# Altium PCB 键盘.PcbDoc (part 6 of 10)
Units mm, origin at the board's own origin, x right, y up, seen from the top; angles counter-clockwise.
Board outline 100 x 100 mm, 2 copper layers (Top Layer, Bottom Layer); 85 components, 82 nets, 333 pads, 92 vias.
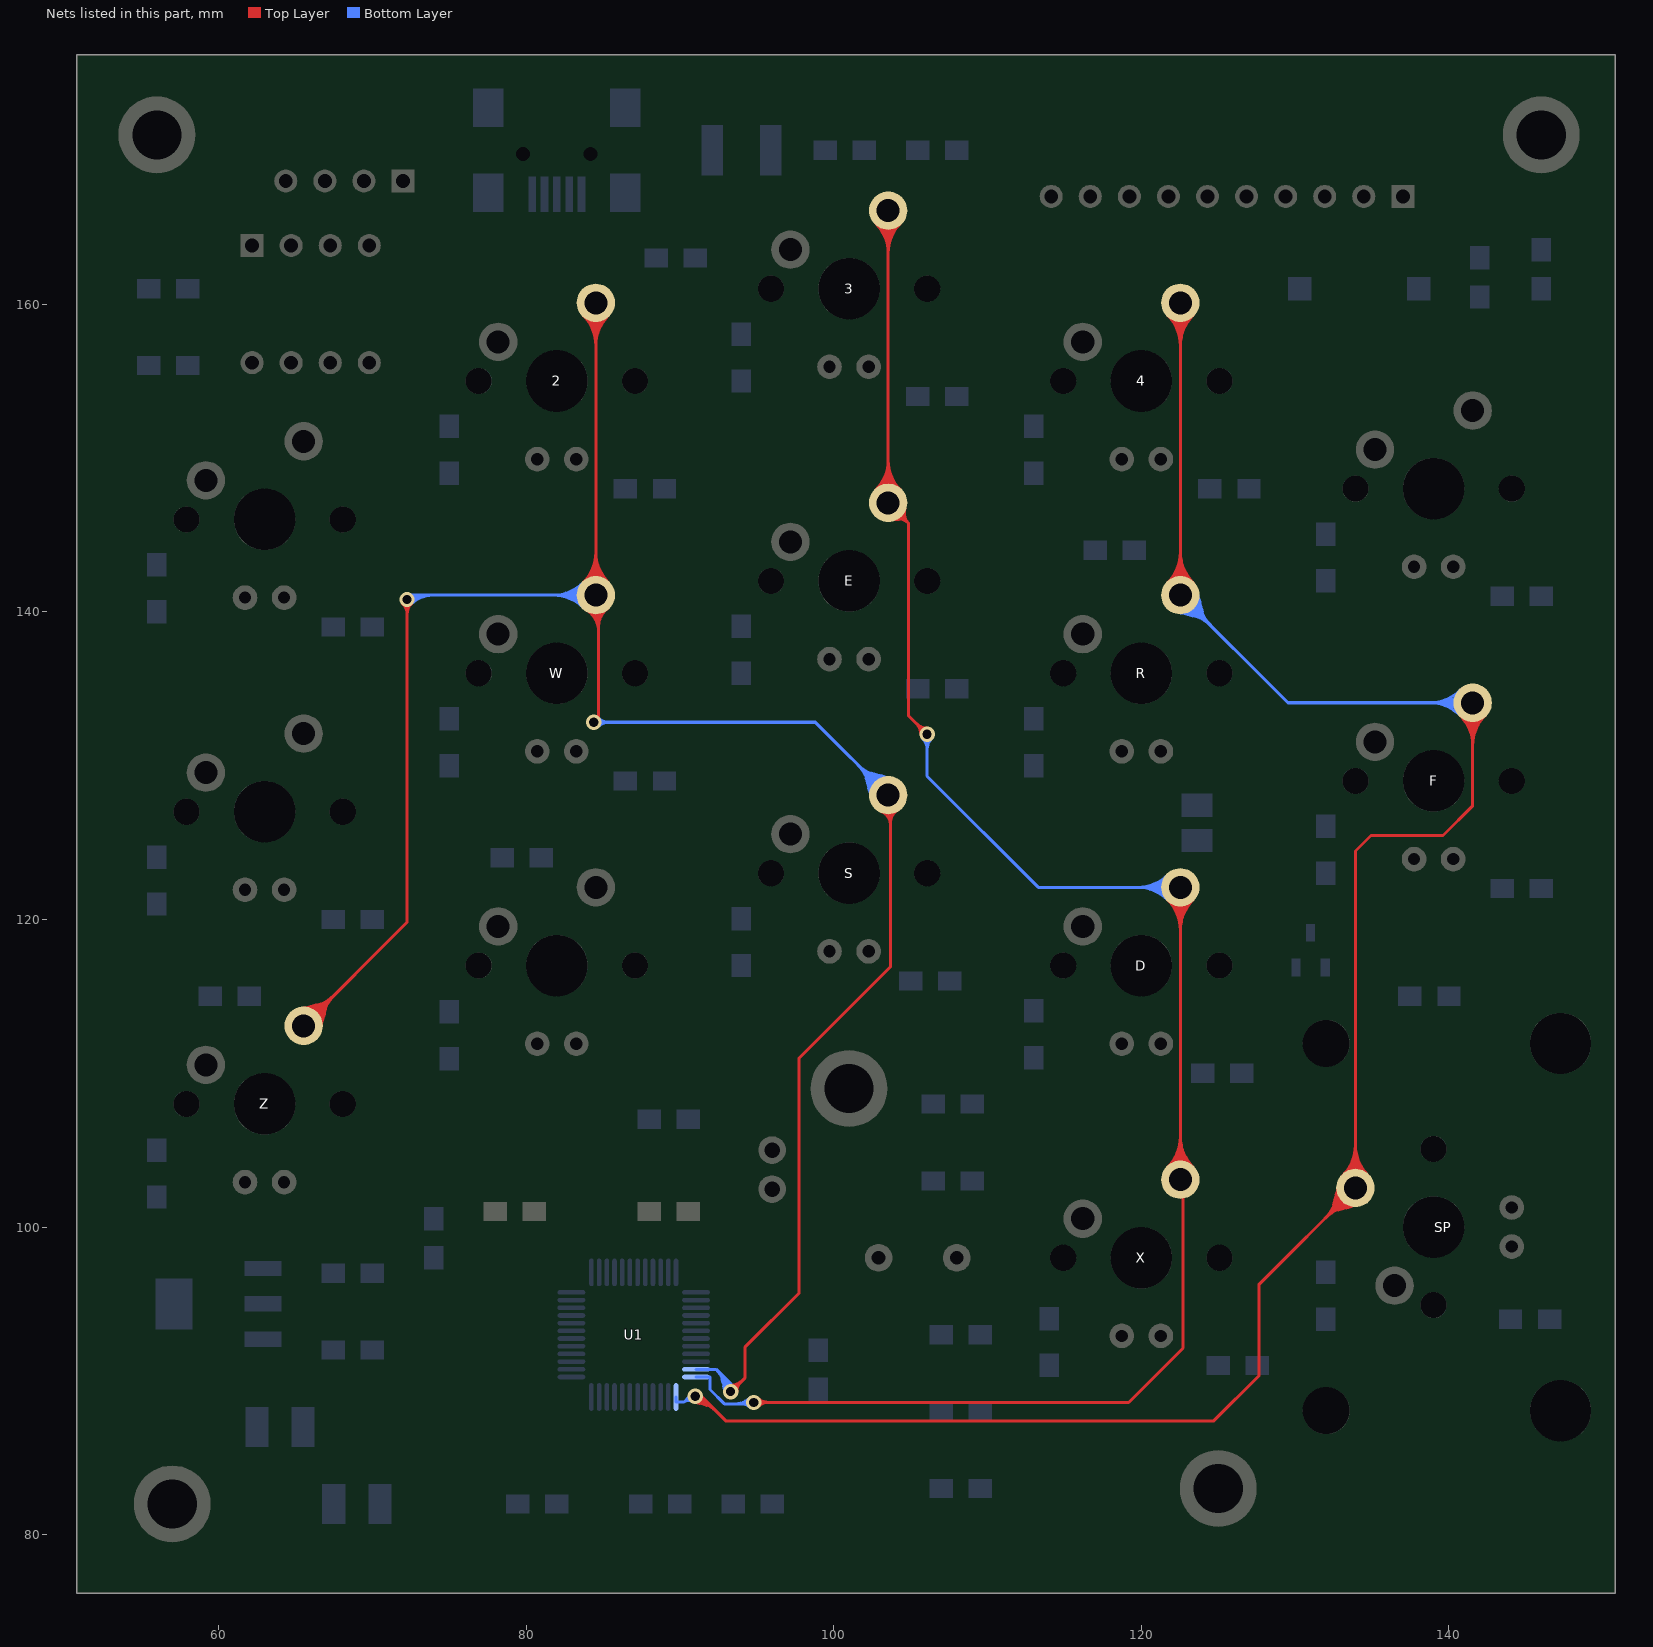
[diagram p6: the nets of this part, all layers, seen from the top]

## Via types
v1: diameter 1, hole 0.6, Top Layer to Bottom Layer, 92 vias

## Nets (pads, with @x,y where several pads share a name; then routed paths per layer and width w, separated by ;. In a path a pad name is that pad's centre, name@x,y a point inside that pad or via, vN(x,y) a via of type N, cw(c..) or ccw(c..) an arc to the next point about the centre after c; other vN are vias at no path point) (continued)
PA1: 2.2 S.2 U1.11 W.2 Z.2 | length 536.1
  Top Layer w0.2: Z.2@65.54,113.08 72.263,119.803 v1(72.263,140.792) ; v1(84.404,132.817) 84.709,133.121 84.709,138.862 ; 2.2@84.54,160.08 W.2@84.54,141.08 84.709,138.862 ; S.2@103.54,128.08 103.7,126.198 ; Z.2@64.907,113.229 cw(c66.377,112.883) 66.011,114.348 ; Z.2@64.907,113.229 cw(c66.377,112.883) 66.011,114.348 ; Z.2@64.907,113.229 cw(c66.377,112.883) 66.011,114.348 ; Z.2@65.102,113.183 cw(c66.737,112.798) 66.33,114.427 ; Z.2@65.102,113.183 cw(c66.737,112.798) 66.33,114.427 ; Z.2@65.102,113.183 cw(c66.737,112.798) 66.33,114.427 ; Z.2@65.292,113.107 cw(c66.581,112.966) 66.245,114.219 ; Z.2@65.292,113.107 cw(c66.581,112.966) 66.245,114.219 ; Z.2@65.292,113.107 cw(c66.581,112.966) 66.245,114.219 ; Z.2@65.297,113.137 cw(c67.096,112.713) 66.648,114.507 ; Z.2@65.297,113.137 cw(c67.096,112.713) 66.648,114.507 ; Z.2@65.297,113.137 cw(c67.096,112.713) 66.648,114.507 ; Z.2@65.49,113.085 cw(c66.893,112.932) 66.528,114.295 ; Z.2@65.49,113.085 cw(c66.893,112.932) 66.528,114.295 ; Z.2@65.49,113.085 cw(c66.893,112.932) 66.528,114.295 ; Z.2@65.54,113.63 ccw(c65.54,114.958) 66.479,114.019 ; Z.2@65.54,113.63 ccw(c65.54,114.958) 66.479,114.019 ; Z.2@65.54,113.63 ccw(c65.54,114.958) 66.479,114.019 ; Z.2@65.54,113.83 ccw(c65.54,115.641) 66.82,114.36 ; Z.2@65.54,113.83 ccw(c65.54,115.641) 66.82,114.36 ; Z.2@65.54,113.83 ccw(c65.54,115.641) 66.82,114.36 ; Z.2@65.54,114.03 ccw(c65.54,116.323) 67.162,114.702 ; Z.2@65.54,114.03 ccw(c65.54,116.323) 67.162,114.702 ; Z.2@65.54,114.03 ccw(c65.54,116.323) 67.162,114.702 ; Z.2@65.54,114.23 ccw(c65.54,117.006) 67.503,115.043 ; Z.2@65.54,114.23 ccw(c65.54,117.006) 67.503,115.043 ; Z.2@65.54,114.23 ccw(c65.54,117.006) 67.503,115.043 ; Z.2@65.543,113.23 ccw(c65.566,114.225) 66.528,113.968 ; Z.2@65.543,113.23 ccw(c65.566,114.225) 66.528,113.968 ; Z.2@65.543,113.23 ccw(c65.566,114.225) 66.528,113.968 ; Z.2@65.545,113.03 ccw(c65.392,114.433) 66.755,114.068 ; Z.2@65.545,113.03 ccw(c65.392,114.433) 66.755,114.068 ; Z.2@65.545,113.03 ccw(c65.392,114.433) 66.755,114.068 ; Z.2@65.567,112.831 ccw(c65.426,114.121) 66.679,113.785 ; Z.2@65.567,112.831 ccw(c65.426,114.121) 66.679,113.785 ; Z.2@65.567,112.831 ccw(c65.426,114.121) 66.679,113.785 ; Z.2@65.597,112.837 ccw(c65.173,114.636) 66.967,114.188 ; Z.2@65.597,112.837 ccw(c65.173,114.636) 66.967,114.188 ; Z.2@65.597,112.837 ccw(c65.173,114.636) 66.967,114.188 ; Z.2@65.643,112.642 ccw(c65.258,114.277) 66.887,113.87 ; Z.2@65.643,112.642 ccw(c65.258,114.277) 66.887,113.87 ; Z.2@65.643,112.642 ccw(c65.258,114.277) 66.887,113.87 ; Z.2@65.689,112.447 ccw(c65.343,113.917) 66.808,113.551 ; Z.2@65.689,112.447 ccw(c65.343,113.917) 66.808,113.551 ; Z.2@65.689,112.447 ccw(c65.343,113.917) 66.808,113.551 ; Z.2@65.69,113.083 cw(c66.685,113.106) 66.428,114.068 ; Z.2@65.69,113.083 cw(c66.685,113.106) 66.428,114.068 ; Z.2@65.69,113.083 cw(c66.685,113.106) 66.428,114.068 ; Z.2@66.09,113.08 cw(c67.418,113.08) 66.479,114.019 ; Z.2@66.09,113.08 cw(c67.418,113.08) 66.479,114.019 ; Z.2@66.09,113.08 cw(c67.418,113.08) 66.479,114.019 ; Z.2@66.115,114.076 ccw(c66.266,114.338) 66.345,114.046 ; Z.2@66.115,114.076 ccw(c66.266,114.338) 66.345,114.046 ; Z.2@66.115,114.076 ccw(c66.266,114.338) 66.345,114.046 ; Z.2@66.29,113.08 cw(c68.101,113.08) 66.82,114.36 ; Z.2@66.29,113.08 cw(c68.101,113.08) 66.82,114.36 ; Z.2@66.29,113.08 cw(c68.101,113.08) 66.82,114.36 ; Z.2@66.49,113.08 cw(c68.784,113.08) 67.162,114.702 ; Z.2@66.49,113.08 cw(c68.784,113.08) 67.162,114.702 ; Z.2@66.49,113.08 cw(c68.784,113.08) 67.162,114.702 ; 66.506,113.885 ccw(c66.798,113.806) Z.2@66.536,113.655 ; 66.506,113.885 ccw(c66.798,113.806) Z.2@66.536,113.655 ; 66.506,113.885 ccw(c66.798,113.806) Z.2@66.536,113.655 ; Z.2@66.69,113.08 cw(c69.466,113.08) 67.503,115.043 ; Z.2@66.69,113.08 cw(c69.466,113.08) 67.503,115.043 ; Z.2@66.69,113.08 cw(c69.466,113.08) 67.503,115.043 ; v1@71.98,140.509 cw(c71.297,139.827) 72.263,139.827 ; v1@71.98,140.509 cw(c71.297,139.827) 72.263,139.827 ; v1@71.98,140.509 cw(c71.297,139.827) 72.263,139.827 ; 72.263,139.827 cw(c73.229,139.827) v1@72.546,140.509 ; 72.263,139.827 cw(c73.229,139.827) v1@72.546,140.509 ; 72.263,139.827 cw(c73.229,139.827) v1@72.546,140.509 ; W.2@83.727,141.893 ccw(c81.764,143.856) 84.54,143.856 ; W.2@83.727,141.893 ccw(c81.764,143.856) 84.54,143.856 ; W.2@83.727,141.893 ccw(c81.764,143.856) 84.54,143.856 ; 2.2@83.727,159.267 cw(c81.764,157.304) 84.54,157.304 ; 2.2@83.727,159.267 cw(c81.764,157.304) 84.54,157.304 ; 2.2@83.727,159.267 cw(c81.764,157.304) 84.54,157.304 ; W.2@83.868,141.752 ccw(c82.246,143.373) 84.54,143.373 ; W.2@83.868,141.752 ccw(c82.246,143.373) 84.54,143.373 ; W.2@83.868,141.752 ccw(c82.246,143.373) 84.54,143.373 ; 2.2@83.868,159.408 cw(c82.246,157.786) 84.54,157.786 ; 2.2@83.868,159.408 cw(c82.246,157.786) 84.54,157.786 ; 2.2@83.868,159.408 cw(c82.246,157.786) 84.54,157.786 ; W.2@83.948,140.094 cw(c83.137,138.742) 84.709,138.862 ; W.2@83.948,140.094 cw(c83.137,138.742) 84.709,138.862 ; W.2@83.948,140.094 cw(c83.137,138.742) 84.709,138.862 ; W.2@84.01,141.61 ccw(c82.729,142.891) 84.54,142.891 ; W.2@84.01,141.61 ccw(c82.729,142.891) 84.54,142.891 ; W.2@84.01,141.61 ccw(c82.729,142.891) 84.54,142.891 ; 2.2@84.01,159.55 cw(c82.729,158.269) 84.54,158.269 ; 2.2@84.01,159.55 cw(c82.729,158.269) 84.54,158.269 ; 2.2@84.01,159.55 cw(c82.729,158.269) 84.54,158.269 ; W.2@84.051,140.265 cw(c83.381,139.149) 84.68,139.248 ; W.2@84.051,140.265 cw(c83.381,139.149) 84.68,139.248 ; W.2@84.051,140.265 cw(c83.381,139.149) 84.68,139.248 ; W.2@84.151,141.469 ccw(c83.212,142.408) 84.54,142.408 ; W.2@84.151,141.469 ccw(c83.212,142.408) 84.54,142.408 ; W.2@84.151,141.469 ccw(c83.212,142.408) 84.54,142.408 ; 2.2@84.151,159.691 cw(c83.212,158.752) 84.54,158.752 ; 2.2@84.151,159.691 cw(c83.212,158.752) 84.54,158.752 ; 2.2@84.151,159.691 cw(c83.212,158.752) 84.54,158.752 ; W.2@84.154,140.437 cw(c83.625,139.555) 84.65,139.633 ; W.2@84.154,140.437 cw(c83.625,139.555) 84.65,139.633 ; W.2@84.154,140.437 cw(c83.625,139.555) 84.65,139.633 ; 84.54,142.408 ccw(c85.868,142.408) W.2@84.929,141.469 ; 84.54,142.408 ccw(c85.868,142.408) W.2@84.929,141.469 ; 84.54,142.408 ccw(c85.868,142.408) W.2@84.929,141.469 ; 84.54,142.891 ccw(c86.351,142.891) W.2@85.07,141.61 ; 84.54,142.891 ccw(c86.351,142.891) W.2@85.07,141.61 ; 84.54,142.891 ccw(c86.351,142.891) W.2@85.07,141.61 ; 84.54,143.373 ccw(c86.833,143.373) W.2@85.212,141.752 ; 84.54,143.373 ccw(c86.833,143.373) W.2@85.212,141.752 ; 84.54,143.373 ccw(c86.833,143.373) W.2@85.212,141.752 ; 84.54,143.856 ccw(c87.316,143.856) W.2@85.353,141.893 ; 84.54,143.856 ccw(c87.316,143.856) W.2@85.353,141.893 ; 84.54,143.856 ccw(c87.316,143.856) W.2@85.353,141.893 ; 84.54,157.304 cw(c87.316,157.304) 2.2@85.353,159.267 ; 84.54,157.304 cw(c87.316,157.304) 2.2@85.353,159.267 ; 84.54,157.304 cw(c87.316,157.304) 2.2@85.353,159.267 ; 84.54,157.786 cw(c86.833,157.786) 2.2@85.212,159.408 ; 84.54,157.786 cw(c86.833,157.786) 2.2@85.212,159.408 ; 84.54,157.786 cw(c86.833,157.786) 2.2@85.212,159.408 ; 84.54,158.269 cw(c86.351,158.269) 2.2@85.07,159.55 ; 84.54,158.269 cw(c86.351,158.269) 2.2@85.07,159.55 ; 84.54,158.269 cw(c86.351,158.269) 2.2@85.07,159.55 ; 84.54,158.752 cw(c85.868,158.752) 2.2@84.929,159.691 ; 84.54,158.752 cw(c85.868,158.752) 2.2@84.929,159.691 ; 84.54,158.752 cw(c85.868,158.752) 2.2@84.929,159.691 ; 84.65,139.633 cw(c85.675,139.712) W.2@85.019,140.503 ; 84.65,139.633 cw(c85.675,139.712) W.2@85.019,140.503 ; 84.65,139.633 cw(c85.675,139.712) W.2@85.019,140.503 ; 84.68,139.248 cw(c85.978,139.347) W.2@85.147,140.349 ; 84.68,139.248 cw(c85.978,139.347) W.2@85.147,140.349 ; 84.68,139.248 cw(c85.978,139.347) W.2@85.147,140.349 ; 84.709,138.862 cw(c86.281,138.982) W.2@85.274,140.195 ; 84.709,138.862 cw(c86.281,138.982) W.2@85.274,140.195 ; 84.709,138.862 cw(c86.281,138.982) W.2@85.274,140.195 ; v1(93.3,89.3) cw(c94.018,89.128) 93.827,89.841 ; v1(93.3,89.3) cw(c94.018,89.128) 93.827,89.841 ; v1(93.3,89.3) ccw(c93.19,89.952) 93.829,89.781 ; v1(93.3,89.3) ccw(c93.19,89.952) 93.829,89.781 ; v1(93.3,89.3) cw(c94.018,89.128) 93.827,89.841 ; v1(93.3,89.3) ccw(c93.19,89.952) 93.829,89.781 ; v1(93.3,89.3) 93.339,89.3 94.247,90.208 94.247,92.211 97.752,95.716 97.752,110.985 103.7,116.933 103.7,126.198 ; v1@93.3,89.5 ccw(c93.3,90.076) 93.707,89.669 ; v1@93.3,89.5 ccw(c93.3,90.076) 93.707,89.669 ; v1@93.3,89.5 ccw(c93.3,90.076) 93.707,89.669 ; v1@93.3,89.7 ccw(c93.3,90.759) 94.049,90.01 ; v1@93.3,89.7 ccw(c93.3,90.759) 94.049,90.01 ; v1@93.3,89.7 ccw(c93.3,90.759) 94.049,90.01 ; v1@93.7,89.3 cw(c94.572,89.3) 93.956,89.917 ; v1@93.7,89.3 cw(c94.572,89.3) 93.956,89.917 ; v1@93.7,89.3 cw(c94.572,89.3) 93.956,89.917 ; S.2@103.1,127.017 cw(c102.727,126.115) 103.7,126.198 ; S.2@103.1,127.017 cw(c102.727,126.115) 103.7,126.198 ; S.2@103.1,127.017 cw(c102.727,126.115) 103.7,126.198 ; S.2@103.177,127.202 cw(c102.868,126.457) 103.672,126.525 ; S.2@103.177,127.202 cw(c102.868,126.457) 103.672,126.525 ; S.2@103.177,127.202 cw(c102.868,126.457) 103.672,126.525 ; 103.672,126.525 cw(c104.476,126.593) S.2@104.046,127.276 ; 103.672,126.525 cw(c104.476,126.593) S.2@104.046,127.276 ; 103.672,126.525 cw(c104.476,126.593) S.2@104.046,127.276 ; 103.7,126.198 cw(c104.673,126.281) S.2@104.153,127.107 ; 103.7,126.198 cw(c104.673,126.281) S.2@104.153,127.107 ; 103.7,126.198 cw(c104.673,126.281) S.2@104.153,127.107
  Bottom Layer w0.2: v1(84.404,132.817) 98.803,132.817 S.2@103.54,128.08 ; W.2@84.54,141.08 72.551,141.08 v1(72.263,140.792) ; U1.11@91.05,90.75 92.359,90.75 ; v1@92.922,89.431 ccw(c92.56,89.556) 92.847,89.81 ccw(c93.133,90.065) v1@93.215,89.691 ; v1(72.263,140.792) cw(c72.958,140.097) 72.958,141.08 ; v1(72.263,140.792) cw(c72.958,140.097) 72.958,141.08 ; v1(72.263,140.792) cw(c72.958,140.097) 72.958,141.08 ; v1@72.404,140.651 cw(c73.441,139.615) 73.441,141.08 ; v1@72.404,140.651 cw(c73.441,139.615) 73.441,141.08 ; v1@72.404,140.651 cw(c73.441,139.615) 73.441,141.08 ; v1@72.418,140.919 ccw(c72.626,141.09) 72.761,140.856 ; v1@72.418,140.919 ccw(c72.626,141.09) 72.761,140.856 ; v1@72.418,140.919 ccw(c72.626,141.09) 72.761,140.856 ; v1@72.546,140.509 cw(c73.923,139.132) 73.923,141.08 ; v1@72.546,140.509 cw(c73.923,139.132) 73.923,141.08 ; v1@72.546,140.509 cw(c73.923,139.132) 73.923,141.08 ; v1@72.572,141.046 ccw(c72.811,141.241) 72.965,140.974 ; v1@72.572,141.046 ccw(c72.811,141.241) 72.965,140.974 ; v1@72.572,141.046 ccw(c72.811,141.241) 72.965,140.974 ; v1@72.649,140.689 cw(c72.945,140.609) 72.792,140.875 ; v1@72.649,140.689 cw(c72.945,140.609) 72.792,140.875 ; v1@72.649,140.689 cw(c72.945,140.609) 72.792,140.875 ; 81.764,141.08 cw(c81.764,138.304) W.2@83.727,140.267 ; 81.764,141.08 ccw(c81.764,143.856) W.2@83.727,141.893 ; 81.764,141.08 cw(c81.764,138.304) W.2@83.727,140.267 ; 81.764,141.08 ccw(c81.764,143.856) W.2@83.727,141.893 ; 81.764,141.08 cw(c81.764,138.304) W.2@83.727,140.267 ; 81.764,141.08 ccw(c81.764,143.856) W.2@83.727,141.893 ; 82.246,141.08 cw(c82.246,138.786) W.2@83.868,140.408 ; 82.246,141.08 ccw(c82.246,143.373) W.2@83.868,141.752 ; 82.246,141.08 cw(c82.246,138.786) W.2@83.868,140.408 ; 82.246,141.08 ccw(c82.246,143.373) W.2@83.868,141.752 ; 82.246,141.08 cw(c82.246,138.786) W.2@83.868,140.408 ; 82.246,141.08 ccw(c82.246,143.373) W.2@83.868,141.752 ; 82.729,141.08 cw(c82.729,139.269) W.2@84.01,140.55 ; 82.729,141.08 ccw(c82.729,142.891) W.2@84.01,141.61 ; 82.729,141.08 cw(c82.729,139.269) W.2@84.01,140.55 ; 82.729,141.08 ccw(c82.729,142.891) W.2@84.01,141.61 ; 82.729,141.08 cw(c82.729,139.269) W.2@84.01,140.55 ; 82.729,141.08 ccw(c82.729,142.891) W.2@84.01,141.61 ; 83.212,141.08 cw(c83.212,139.752) W.2@84.151,140.691 ; 83.212,141.08 ccw(c83.212,142.408) W.2@84.151,141.469 ; 83.212,141.08 cw(c83.212,139.752) W.2@84.151,140.691 ; 83.212,141.08 ccw(c83.212,142.408) W.2@84.151,141.469 ; 83.212,141.08 cw(c83.212,139.752) W.2@84.151,140.691 ; 83.212,141.08 ccw(c83.212,142.408) W.2@84.151,141.469 ; v1@84.687,132.534 cw(c85.37,131.851) 85.37,132.817 ; v1@84.687,132.534 cw(c85.37,131.851) 85.37,132.817 ; v1@84.687,132.534 cw(c85.37,131.851) 85.37,132.817 ; v1@84.687,133.099 ccw(c85.37,133.782) 85.37,132.817 ; v1@84.687,133.099 ccw(c85.37,133.782) 85.37,132.817 ; v1@84.687,133.099 ccw(c85.37,133.782) 85.37,132.817 ; 92.359,90.75 cw(c91.042,89.434) v1@92.901,89.324 ; 92.359,90.75 cw(c91.042,89.434) v1@92.901,89.324 ; 92.359,90.75 cw(c91.042,89.434) v1@92.901,89.324 ; 92.359,90.75 93.339,89.77 93.339,89.3 v1(93.3,89.3) ; 92.673,90.435 cw(c91.637,89.398) v1@93.1,89.312 ; 92.673,90.435 cw(c91.637,89.398) v1@93.1,89.312 ; 92.673,90.435 cw(c91.637,89.398) v1@93.1,89.312 ; 92.734,90.136 ccw(c94.026,90.401) v1(93.3,89.3) ; 92.734,90.136 ccw(c94.026,90.401) v1(93.3,89.3) ; 92.734,90.136 ccw(c94.026,90.401) v1(93.3,89.3) ; 92.831,89.663 ccw(c93.65,89.831) v1@93.19,89.133 ; 92.831,89.663 ccw(c93.65,89.831) v1@93.19,89.133 ; 92.831,89.663 ccw(c93.65,89.831) v1@93.19,89.133 ; 92.943,90.08 ccw(c93.809,90.258) v1@93.394,89.477 ; 92.943,90.08 ccw(c93.809,90.258) v1@93.394,89.477 ; 92.943,90.08 ccw(c93.809,90.258) v1@93.394,89.477 ; v1@92.966,89.52 ccw(c92.71,89.689) 93.01,89.75 ; v1@92.966,89.52 ccw(c92.71,89.689) 93.01,89.75 ; v1@92.966,89.52 ccw(c92.71,89.689) 93.01,89.75 ; 92.988,90.12 cw(c92.231,89.363) v1(93.3,89.3) ; 92.988,90.12 cw(c92.231,89.363) v1(93.3,89.3) ; 92.988,90.12 cw(c92.231,89.363) v1(93.3,89.3) ; v1@93.1,89.646 ccw(c93.008,89.806) 93.188,89.843 ; v1@93.1,89.646 ccw(c93.008,89.806) 93.188,89.843 ; v1@93.1,89.646 ccw(c93.008,89.806) 93.188,89.843 ; 93.188,89.843 ccw(c93.369,89.88) v1@93.347,89.697 ; 93.188,89.843 ccw(c93.369,89.88) v1@93.347,89.697 ; 93.188,89.843 ccw(c93.369,89.88) v1@93.347,89.697 ; 93.303,89.806 cw(c92.826,89.328) v1@93.5,89.288 ; 93.303,89.806 cw(c92.826,89.328) v1@93.5,89.288 ; 93.303,89.806 cw(c92.826,89.328) v1@93.5,89.288 ; 101.577,130.043 cw(c99.614,128.08) S.2@102.39,128.08 ; 101.577,130.043 ccw(c103.54,132.006) S.2@103.54,129.23 ; 101.577,130.043 cw(c99.614,128.08) S.2@102.39,128.08 ; 101.577,130.043 ccw(c103.54,132.006) S.2@103.54,129.23 ; 101.577,130.043 cw(c99.614,128.08) S.2@102.39,128.08 ; 101.577,130.043 ccw(c103.54,132.006) S.2@103.54,129.23 ; 101.918,129.702 cw(c100.296,128.08) S.2@102.59,128.08 ; 101.918,129.702 ccw(c103.54,131.324) S.2@103.54,129.03 ; 101.918,129.702 cw(c100.296,128.08) S.2@102.59,128.08 ; 101.918,129.702 ccw(c103.54,131.324) S.2@103.54,129.03 ; 101.918,129.702 cw(c100.296,128.08) S.2@102.59,128.08 ; 101.918,129.702 ccw(c103.54,131.324) S.2@103.54,129.03 ; 102.113,129.188 ccw(c103.907,129.636) S.2@103.483,127.837 ; 102.113,129.188 ccw(c103.907,129.636) S.2@103.483,127.837 ; 102.113,129.188 ccw(c103.907,129.636) S.2@103.483,127.837 ; 102.193,128.87 ccw(c103.822,129.277) S.2@103.437,127.642 ; 102.193,128.87 ccw(c103.822,129.277) S.2@103.437,127.642 ; 102.193,128.87 ccw(c103.822,129.277) S.2@103.437,127.642 ; 102.26,129.36 cw(c100.979,128.08) S.2@102.79,128.08 ; 102.26,129.36 ccw(c103.54,130.641) S.2@103.54,128.83 ; 102.26,129.36 cw(c100.979,128.08) S.2@102.79,128.08 ; 102.26,129.36 ccw(c103.54,130.641) S.2@103.54,128.83 ; 102.26,129.36 cw(c100.979,128.08) S.2@102.79,128.08 ; 102.26,129.36 ccw(c103.54,130.641) S.2@103.54,128.83 ; 102.272,128.551 ccw(c103.737,128.917) S.2@103.391,127.447 ; 102.272,128.551 ccw(c103.737,128.917) S.2@103.391,127.447 ; 102.272,128.551 ccw(c103.737,128.917) S.2@103.391,127.447 ; 102.325,129.068 ccw(c103.688,129.433) S.2@103.535,128.03 ; 102.325,129.068 ccw(c103.688,129.433) S.2@103.535,128.03 ; 102.325,129.068 ccw(c103.688,129.433) S.2@103.535,128.03 ; 102.401,128.785 ccw(c103.654,129.121) S.2@103.513,127.831 ; 102.401,128.785 ccw(c103.654,129.121) S.2@103.513,127.831 ; 102.401,128.785 ccw(c103.654,129.121) S.2@103.513,127.831 ; 102.432,129.507 cw(c101.984,127.713) S.2@103.783,128.137 ; 102.432,129.507 cw(c101.984,127.713) S.2@103.783,128.137 ; 102.432,129.507 cw(c101.984,127.713) S.2@103.783,128.137 ; 102.552,129.295 cw(c102.187,127.932) S.2@103.59,128.085 ; 102.552,129.295 cw(c102.187,127.932) S.2@103.59,128.085 ; 102.552,129.295 cw(c102.187,127.932) S.2@103.59,128.085 ; 102.601,129.019 cw(c101.662,128.08) S.2@102.99,128.08 ; 102.601,129.019 ccw(c103.54,129.958) S.2@103.54,128.63 ; 102.601,129.019 cw(c101.662,128.08) S.2@102.99,128.08 ; 102.601,129.019 ccw(c103.54,129.958) S.2@103.54,128.63 ; 102.601,129.019 cw(c101.662,128.08) S.2@102.99,128.08 ; 102.601,129.019 ccw(c103.54,129.958) S.2@103.54,128.63 ; 102.75,129.427 cw(c102.343,127.798) S.2@103.978,128.183 ; 102.75,129.427 cw(c102.343,127.798) S.2@103.978,128.183 ; 102.75,129.427 cw(c102.343,127.798) S.2@103.978,128.183 ; 102.835,129.219 cw(c102.499,127.966) S.2@103.789,128.107 ; 102.835,129.219 cw(c102.499,127.966) S.2@103.789,128.107 ; 102.835,129.219 cw(c102.499,127.966) S.2@103.789,128.107 ; 103.069,129.348 cw(c102.703,127.883) S.2@104.173,128.229 ; 103.069,129.348 cw(c102.703,127.883) S.2@104.173,128.229 ; 103.069,129.348 cw(c102.703,127.883) S.2@104.173,128.229
PA2: 3.2 D.2 E.2 U1.12 X.2 | length 359.2
  Top Layer w0.2: v1(94.8,88.595) 119.177,88.595 122.707,92.126 122.707,102.913 X.2@122.54,103.08 D.2@122.54,122.08 ; 3.2@103.54,166.08 E.2@103.54,147.08 104.851,145.769 ; v1@95.083,88.312 cw(c95.766,87.63) 95.766,88.595 ; v1@95.083,88.312 cw(c95.766,87.63) 95.766,88.595 ; v1@95.083,88.312 cw(c95.766,87.63) 95.766,88.595 ; v1@95.083,88.878 ccw(c95.766,89.561) 95.766,88.595 ; v1@95.083,88.878 ccw(c95.766,89.561) 95.766,88.595 ; v1@95.083,88.878 ccw(c95.766,89.561) 95.766,88.595 ; E.2@102.727,147.893 ccw(c100.764,149.856) 103.54,149.856 ; E.2@102.727,147.893 ccw(c100.764,149.856) 103.54,149.856 ; E.2@102.727,147.893 ccw(c100.764,149.856) 103.54,149.856 ; 3.2@102.727,165.267 cw(c100.764,163.304) 103.54,163.304 ; 3.2@102.727,165.267 cw(c100.764,163.304) 103.54,163.304 ; 3.2@102.727,165.267 cw(c100.764,163.304) 103.54,163.304 ; E.2@102.868,147.752 ccw(c101.246,149.374) 103.54,149.374 ; E.2@102.868,147.752 ccw(c101.246,149.374) 103.54,149.374 ; E.2@102.868,147.752 ccw(c101.246,149.374) 103.54,149.374 ; 3.2@102.868,165.408 cw(c101.246,163.786) 103.54,163.786 ; 3.2@102.868,165.408 cw(c101.246,163.786) 103.54,163.786 ; 3.2@102.868,165.408 cw(c101.246,163.786) 103.54,163.786 ; E.2@102.978,146.442 ccw(c104.129,147.748) 104.238,146.011 ; E.2@102.978,146.442 ccw(c104.129,147.748) 104.238,146.011 ; E.2@102.978,146.442 ccw(c104.129,147.748) 104.238,146.011 ; E.2@103.01,147.61 ccw(c101.729,148.891) 103.54,148.891 ; E.2@103.01,147.61 ccw(c101.729,148.891) 103.54,148.891 ; E.2@103.01,147.61 ccw(c101.729,148.891) 103.54,148.891 ; 3.2@103.01,165.55 cw(c101.729,164.269) 103.54,164.269 ; 3.2@103.01,165.55 cw(c101.729,164.269) 103.54,164.269 ; 3.2@103.01,165.55 cw(c101.729,164.269) 103.54,164.269 ; E.2@103.151,147.469 ccw(c102.212,148.408) 103.54,148.408 ; E.2@103.151,147.469 ccw(c102.212,148.408) 103.54,148.408 ; E.2@103.151,147.469 ccw(c102.212,148.408) 103.54,148.408 ; 3.2@103.151,165.691 cw(c102.212,164.752) 103.54,164.752 ; 3.2@103.151,165.691 cw(c102.212,164.752) 103.54,164.752 ; 3.2@103.151,165.691 cw(c102.212,164.752) 103.54,164.752 ; 103.54,148.408 ccw(c104.868,148.408) E.2@103.929,147.469 ; 103.54,148.408 ccw(c104.868,148.408) E.2@103.929,147.469 ; 103.54,148.408 ccw(c104.868,148.408) E.2@103.929,147.469 ; 103.54,148.891 ccw(c105.351,148.891) E.2@104.07,147.61 ; 103.54,148.891 ccw(c105.351,148.891) E.2@104.07,147.61 ; 103.54,148.891 ccw(c105.351,148.891) E.2@104.07,147.61 ; 103.54,149.374 ccw(c105.834,149.374) E.2@104.212,147.752 ; 103.54,149.374 ccw(c105.834,149.374) E.2@104.212,147.752 ; 103.54,149.374 ccw(c105.834,149.374) E.2@104.212,147.752 ; 103.54,149.856 ccw(c106.316,149.856) E.2@104.353,147.893 ; 103.54,149.856 ccw(c106.316,149.856) E.2@104.353,147.893 ; 103.54,149.856 ccw(c106.316,149.856) E.2@104.353,147.893 ; 103.54,163.304 cw(c106.316,163.304) 3.2@104.353,165.267 ; 103.54,163.304 cw(c106.316,163.304) 3.2@104.353,165.267 ; 103.54,163.304 cw(c106.316,163.304) 3.2@104.353,165.267 ; 103.54,163.786 cw(c105.834,163.786) 3.2@104.212,165.408 ; 103.54,163.786 cw(c105.834,163.786) 3.2@104.212,165.408 ; 103.54,163.786 cw(c105.834,163.786) 3.2@104.212,165.408 ; 103.54,164.269 cw(c105.351,164.269) 3.2@104.07,165.55 ; 103.54,164.269 cw(c105.351,164.269) 3.2@104.07,165.55 ; 103.54,164.269 cw(c105.351,164.269) 3.2@104.07,165.55 ; 103.54,164.752 cw(c104.868,164.752) 3.2@103.929,165.691 ; 103.54,164.752 cw(c104.868,164.752) 3.2@103.929,165.691 ; 103.54,164.752 cw(c104.868,164.752) 3.2@103.929,165.691 ; E.2@103.843,146.18 cw(c104.086,145.46) 104.623,145.997 ; E.2@103.843,146.18 cw(c104.086,145.46) 104.623,145.997 ; E.2@103.843,146.18 cw(c104.086,145.46) 104.623,145.997 ; E.2@103.907,145.99 cw(c104.201,145.118) 104.851,145.769 ; E.2@103.907,145.99 cw(c104.201,145.118) 104.851,145.769 ; E.2@103.907,145.99 cw(c104.201,145.118) 104.851,145.769 ; E.2@104.178,147.642 cw(c102.872,146.491) 104.609,146.382 ; E.2@104.178,147.642 cw(c102.872,146.491) 104.609,146.382 ; E.2@104.178,147.642 cw(c102.872,146.491) 104.609,146.382 ; E.2@104.44,146.777 ccw(c105.16,146.534) 104.623,145.997 ; E.2@104.44,146.777 ccw(c105.16,146.534) 104.623,145.997 ; E.2@104.44,146.777 ccw(c105.16,146.534) 104.623,145.997 ; E.2@104.63,146.713 ccw(c105.502,146.419) 104.851,145.769 ; E.2@104.63,146.713 ccw(c105.502,146.419) 104.851,145.769 ; E.2@104.63,146.713 ccw(c105.502,146.419) 104.851,145.769 ; 104.851,145.769 104.851,133.248 v1(106.07,132.029) ; 105.388,132.712 cw(c104.705,132.029) v1@105.67,132.029 ; 105.388,132.712 ccw(c106.07,133.395) v1@106.07,132.429 ; 105.388,132.712 cw(c104.705,132.029) v1@105.67,132.029 ; 105.388,132.712 ccw(c106.07,133.395) v1@106.07,132.429 ; 105.388,132.712 cw(c104.705,132.029) v1@105.67,132.029 ; 105.388,132.712 ccw(c106.07,133.395) v1@106.07,132.429 ; 105.535,132.533 ccw(c106.211,132.714) v1(106.07,132.029) ; 105.535,132.533 ccw(c106.211,132.714) v1(106.07,132.029) ; 105.535,132.533 ccw(c106.211,132.714) v1(106.07,132.029) ; 105.566,132.564 cw(c105.386,131.889) v1(106.07,132.029) ; 105.566,132.564 cw(c105.386,131.889) v1(106.07,132.029) ; 105.566,132.564 cw(c105.386,131.889) v1(106.07,132.029) ; X.2@121.727,103.893 ccw(c119.764,105.856) 122.54,105.856 ; X.2@121.727,103.893 ccw(c119.764,105.856) 122.54,105.856 ; X.2@121.727,103.893 ccw(c119.764,105.856) 122.54,105.856 ; D.2@121.727,121.267 cw(c119.764,119.304) 122.54,119.304 ; D.2@121.727,121.267 cw(c119.764,119.304) 122.54,119.304 ; D.2@121.727,121.267 cw(c119.764,119.304) 122.54,119.304 ; X.2@121.868,103.752 ccw(c120.247,105.374) 122.54,105.374 ; X.2@121.868,103.752 ccw(c120.247,105.374) 122.54,105.374 ; X.2@121.868,103.752 ccw(c120.247,105.374) 122.54,105.374 ; D.2@121.868,121.408 cw(c120.247,119.787) 122.54,119.787 ; D.2@121.868,121.408 cw(c120.247,119.787) 122.54,119.787 ; D.2@121.868,121.408 cw(c120.247,119.787) 122.54,119.787 ; X.2@122.01,103.61 ccw(c120.729,104.891) 122.54,104.891 ; X.2@122.01,103.61 ccw(c120.729,104.891) 122.54,104.891 ; X.2@122.01,103.61 ccw(c120.729,104.891) 122.54,104.891 ; D.2@122.01,121.55 cw(c120.729,120.269) 122.54,120.269 ; D.2@122.01,121.55 cw(c120.729,120.269) 122.54,120.269 ; D.2@122.01,121.55 cw(c120.729,120.269) 122.54,120.269 ; X.2@122.151,103.469 ccw(c121.212,104.408) 122.54,104.408 ; X.2@122.151,103.469 ccw(c121.212,104.408) 122.54,104.408 ; X.2@122.151,103.469 ccw(c121.212,104.408) 122.54,104.408 ; D.2@122.151,121.691 cw(c121.212,120.752) 122.54,120.752 ; D.2@122.151,121.691 cw(c121.212,120.752) 122.54,120.752 ; D.2@122.151,121.691 cw(c121.212,120.752) 122.54,120.752 ; 122.54,104.408 ccw(c123.868,104.408) X.2@122.929,103.469 ; 122.54,104.408 ccw(c123.868,104.408) X.2@122.929,103.469 ; 122.54,104.408 ccw(c123.868,104.408) X.2@122.929,103.469 ; 122.54,104.891 ccw(c124.351,104.891) X.2@123.07,103.61 ; 122.54,104.891 ccw(c124.351,104.891) X.2@123.07,103.61 ; 122.54,104.891 ccw(c124.351,104.891) X.2@123.07,103.61 ; 122.54,105.374 ccw(c124.834,105.374) X.2@123.212,103.752 ; 122.54,105.374 ccw(c124.834,105.374) X.2@123.212,103.752 ; 122.54,105.374 ccw(c124.834,105.374) X.2@123.212,103.752 ; 122.54,105.856 ccw(c125.316,105.856) X.2@123.353,103.893 ; 122.54,105.856 ccw(c125.316,105.856) X.2@123.353,103.893 ; 122.54,105.856 ccw(c125.316,105.856) X.2@123.353,103.893 ; 122.54,119.304 cw(c125.316,119.304) D.2@123.353,121.267 ; 122.54,119.304 cw(c125.316,119.304) D.2@123.353,121.267 ; 122.54,119.304 cw(c125.316,119.304) D.2@123.353,121.267 ; 122.54,119.787 cw(c124.834,119.787) D.2@123.212,121.408 ; 122.54,119.787 cw(c124.834,119.787) D.2@123.212,121.408 ; 122.54,119.787 cw(c124.834,119.787) D.2@123.212,121.408 ; 122.54,120.269 cw(c124.351,120.269) D.2@123.07,121.55 ; 122.54,120.269 cw(c124.351,120.269) D.2@123.07,121.55 ; 122.54,120.269 cw(c124.351,120.269) D.2@123.07,121.55 ; 122.54,120.752 cw(c123.868,120.752) D.2@122.929,121.691 ; 122.54,120.752 cw(c123.868,120.752) D.2@122.929,121.691 ; 122.54,120.752 cw(c123.868,120.752) D.2@122.929,121.691
  Bottom Layer w0.2: U1.12@91.05,90.25 91.959,90.25 91.959,89.435 92.893,88.5 94.494,88.5 94.59,88.595 v1(94.8,88.595) ; v1(106.07,132.029) 106.07,129.311 113.302,122.08 D.2@122.54,122.08 ; 93.604,88.5 ccw(c93.604,89.791) v1@94.517,88.878 ; 93.604,88.5 ccw(c93.604,89.791) v1@94.517,88.878 ; 93.604,88.5 ccw(c93.604,89.791) v1@94.517,88.878 ; 94.064,88.5 cw(c94.064,87.859) v1@94.517,88.312 ; 94.064,88.5 cw(c94.064,87.859) v1@94.517,88.312 ; 94.064,88.5 cw(c94.064,87.859) v1@94.517,88.312 ; 94.087,88.5 ccw(c94.087,89.308) v1@94.659,88.737 ; 94.087,88.5 ccw(c94.087,89.308) v1@94.659,88.737 ; 94.087,88.5 ccw(c94.087,89.308) v1@94.659,88.737 ; v1@105.788,131.746 cw(c105.105,131.064) 106.07,131.064 ; v1@105.788,131.746 cw(c105.105,131.064) 106.07,131.064 ; v1@105.788,131.746 cw(c105.105,131.064) 106.07,131.064 ; 106.07,131.064 cw(c107.036,131.064) v1@106.353,131.746 ; 106.07,131.064 cw(c107.036,131.064) v1@106.353,131.746 ; 106.07,131.064 cw(c107.036,131.064) v1@106.353,131.746 ; 119.764,122.08 cw(c119.764,119.304) D.2@121.727,121.267 ; 119.764,122.08 ccw(c119.764,124.856) D.2@121.727,122.893 ; 119.764,122.08 cw(c119.764,119.304) D.2@121.727,121.267 ; 119.764,122.08 ccw(c119.764,124.856) D.2@121.727,122.893 ; 119.764,122.08 cw(c119.764,119.304) D.2@121.727,121.267 ; 119.764,122.08 ccw(c119.764,124.856) D.2@121.727,122.893 ; 120.247,122.08 cw(c120.247,119.787) D.2@121.868,121.408 ; 120.247,122.08 ccw(c120.247,124.374) D.2@121.868,122.752 ; 120.247,122.08 cw(c120.247,119.787) D.2@121.868,121.408 ; 120.247,122.08 ccw(c120.247,124.374) D.2@121.868,122.752 ; 120.247,122.08 cw(c120.247,119.787) D.2@121.868,121.408 ; 120.247,122.08 ccw(c120.247,124.374) D.2@121.868,122.752 ; 120.729,122.08 cw(c120.729,120.269) D.2@122.01,121.55 ; 120.729,122.08 ccw(c120.729,123.891) D.2@122.01,122.61 ; 120.729,122.08 cw(c120.729,120.269) D.2@122.01,121.55 ; 120.729,122.08 ccw(c120.729,123.891) D.2@122.01,122.61 ; 120.729,122.08 cw(c120.729,120.269) D.2@122.01,121.55 ; 120.729,122.08 ccw(c120.729,123.891) D.2@122.01,122.61 ; 121.212,122.08 cw(c121.212,120.752) D.2@122.151,121.691 ; 121.212,122.08 ccw(c121.212,123.408) D.2@122.151,122.469 ; 121.212,122.08 cw(c121.212,120.752) D.2@122.151,121.691 ; 121.212,122.08 ccw(c121.212,123.408) D.2@122.151,122.469 ; 121.212,122.08 cw(c121.212,120.752) D.2@122.151,121.691 ; 121.212,122.08 ccw(c121.212,123.408) D.2@122.151,122.469
PA3: 4.2 F.2 R.2 SP.2 U1.13 | length 539.8
  Top Layer w0.2: v1@90.678,89.027 91.351,89.027 92.983,87.395 124.708,87.395 127.66,90.348 127.66,96.28 SP.2@133.92,102.54 133.92,124.443 134.925,125.448 139.61,125.448 141.54,127.378 F.2@141.54,134.08 ; v1@91.134,88.623 cw(c91.214,88.398) 91.393,88.556 cw(c91.572,88.714) v1@91.358,88.821 ; R.2@122.54,141.08 4.2@122.54,160.08 ; v1@90.821,88.911 ccw(c91.494,89.246) 91.3,88.52 ; v1@90.821,88.911 ccw(c91.494,89.246) 91.3,88.52 ; v1@90.821,88.911 ccw(c91.494,89.246) 91.3,88.52 ; v1@91,88.6 cw(c91,86.721) 92.329,88.05 ; v1@91,88.6 cw(c91,86.721) 92.329,88.05 ; v1@91,88.6 cw(c91,86.721) 92.329,88.05 ; v1@91,88.8 cw(c91,87.404) 91.987,88.391 ; v1@91,88.8 cw(c91,87.404) 91.987,88.391 ; v1@91,88.8 cw(c91,87.404) 91.987,88.391 ; v1(91,89) cw(c91,88.086) 91.646,88.732 ; v1(91,89) ccw(c92.025,89.511) 91.728,88.405 ; v1(91,89) ccw(c92.025,89.511) 91.728,88.405 ; v1(91,89) cw(c91,88.086) 91.646,88.732 ; v1(91,89) ccw(c92.025,89.511) 91.728,88.405 ; v1(91,89) cw(c91,88.086) 91.646,88.732 ; v1@91.189,89.064 ccw(c91.837,89.284) 91.66,88.623 ; v1@91.189,89.064 ccw(c91.837,89.284) 91.66,88.623 ; v1@91.189,89.064 ccw(c91.837,89.284) 91.66,88.623 ; v1@91.2,88.654 cw(c91.353,88.388) 91.432,88.684 ; v1@91.2,88.654 cw(c91.353,88.388) 91.432,88.684 ; v1@91.2,88.654 cw(c91.353,88.388) 91.432,88.684 ; R.2@121.727,141.893 ccw(c119.764,143.856) 122.54,143.856 ; R.2@121.727,141.893 ccw(c119.764,143.856) 122.54,143.856 ; R.2@121.727,141.893 ccw(c119.764,143.856) 122.54,143.856 ; 4.2@121.727,159.267 cw(c119.764,157.304) 122.54,157.304 ; 4.2@121.727,159.267 cw(c119.764,157.304) 122.54,157.304 ; 4.2@121.727,159.267 cw(c119.764,157.304) 122.54,157.304 ; R.2@121.868,141.752 ccw(c120.247,143.373) 122.54,143.373 ; R.2@121.868,141.752 ccw(c120.247,143.373) 122.54,143.373 ; R.2@121.868,141.752 ccw(c120.247,143.373) 122.54,143.373 ; 4.2@121.868,159.408 cw(c120.247,157.786) 122.54,157.786 ; 4.2@121.868,159.408 cw(c120.247,157.786) 122.54,157.786 ; 4.2@121.868,159.408 cw(c120.247,157.786) 122.54,157.786 ; R.2@122.01,141.61 ccw(c120.729,142.891) 122.54,142.891 ; R.2@122.01,141.61 ccw(c120.729,142.891) 122.54,142.891 ; R.2@122.01,141.61 ccw(c120.729,142.891) 122.54,142.891 ; 4.2@122.01,159.55 cw(c120.729,158.269) 122.54,158.269 ; 4.2@122.01,159.55 cw(c120.729,158.269) 122.54,158.269 ; 4.2@122.01,159.55 cw(c120.729,158.269) 122.54,158.269 ; R.2@122.151,141.469 ccw(c121.212,142.408) 122.54,142.408 ; R.2@122.151,141.469 ccw(c121.212,142.408) 122.54,142.408 ; R.2@122.151,141.469 ccw(c121.212,142.408) 122.54,142.408 ; 4.2@122.151,159.691 cw(c121.212,158.752) 122.54,158.752 ; 4.2@122.151,159.691 cw(c121.212,158.752) 122.54,158.752 ; 4.2@122.151,159.691 cw(c121.212,158.752) 122.54,158.752 ; 122.54,142.408 ccw(c123.868,142.408) R.2@122.929,141.469 ; 122.54,142.408 ccw(c123.868,142.408) R.2@122.929,141.469 ; 122.54,142.408 ccw(c123.868,142.408) R.2@122.929,141.469 ; 122.54,142.891 ccw(c124.351,142.891) R.2@123.07,141.61 ; 122.54,142.891 ccw(c124.351,142.891) R.2@123.07,141.61 ; 122.54,142.891 ccw(c124.351,142.891) R.2@123.07,141.61 ; 122.54,143.373 ccw(c124.834,143.373) R.2@123.212,141.752 ; 122.54,143.373 ccw(c124.834,143.373) R.2@123.212,141.752 ; 122.54,143.373 ccw(c124.834,143.373) R.2@123.212,141.752 ; 122.54,143.856 ccw(c125.316,143.856) R.2@123.353,141.893 ; 122.54,143.856 ccw(c125.316,143.856) R.2@123.353,141.893 ; 122.54,143.856 ccw(c125.316,143.856) R.2@123.353,141.893 ; 122.54,157.304 cw(c125.316,157.304) 4.2@123.353,159.267 ; 122.54,157.304 cw(c125.316,157.304) 4.2@123.353,159.267 ; 122.54,157.304 cw(c125.316,157.304) 4.2@123.353,159.267 ; 122.54,157.786 cw(c124.834,157.786) 4.2@123.212,159.408 ; 122.54,157.786 cw(c124.834,157.786) 4.2@123.212,159.408 ; 122.54,157.786 cw(c124.834,157.786) 4.2@123.212,159.408 ; 122.54,158.269 cw(c124.351,158.269) 4.2@123.07,159.55 ; 122.54,158.269 cw(c124.351,158.269) 4.2@123.07,159.55 ; 122.54,158.269 cw(c124.351,158.269) 4.2@123.07,159.55 ; 122.54,158.752 cw(c123.868,158.752) 4.2@122.929,159.691 ; 122.54,158.752 cw(c123.868,158.752) 4.2@122.929,159.691 ; 122.54,158.752 cw(c123.868,158.752) 4.2@122.929,159.691 ; 131.957,100.577 cw(c133.92,98.614) SP.2@133.92,101.39 ; 131.957,100.577 ccw(c129.994,102.54) SP.2@132.77,102.54 ; 131.957,100.577 cw(c133.92,98.614) SP.2@133.92,101.39 ; 131.957,100.577 ccw(c129.994,102.54) SP.2@132.77,102.54 ; 131.957,100.577 cw(c133.92,98.614) SP.2@133.92,101.39 ; 131.957,100.577 ccw(c129.994,102.54) SP.2@132.77,102.54 ; 132.298,100.918 cw(c133.92,99.296) SP.2@133.92,101.59 ; 132.298,100.918 ccw(c130.676,102.54) SP.2@132.97,102.54 ; 132.298,100.918 cw(c133.92,99.296) SP.2@133.92,101.59 ; 132.298,100.918 ccw(c130.676,102.54) SP.2@132.97,102.54 ; 132.298,100.918 cw(c133.92,99.296) SP.2@133.92,101.59 ; 132.298,100.918 ccw(c130.676,102.54) SP.2@132.97,102.54 ; 132.493,101.432 cw(c134.287,100.984) SP.2@133.863,102.783 ; 132.493,101.432 cw(c134.287,100.984) SP.2@133.863,102.783 ; 132.493,101.432 cw(c134.287,100.984) SP.2@133.863,102.783 ; 132.573,101.75 cw(c134.202,101.343) SP.2@133.817,102.978 ; 132.573,101.75 cw(c134.202,101.343) SP.2@133.817,102.978 ; 132.573,101.75 cw(c134.202,101.343) SP.2@133.817,102.978 ; 132.64,101.26 cw(c133.92,99.979) SP.2@133.92,101.79 ; 132.64,101.26 ccw(c131.359,102.54) SP.2@133.17,102.54 ; 132.64,101.26 cw(c133.92,99.979) SP.2@133.92,101.79 ; 132.64,101.26 ccw(c131.359,102.54) SP.2@133.17,102.54 ; 132.64,101.26 cw(c133.92,99.979) SP.2@133.92,101.79 ; 132.64,101.26 ccw(c131.359,102.54) SP.2@133.17,102.54 ; 132.652,102.069 cw(c134.117,101.703) SP.2@133.771,103.173 ; 132.652,102.069 cw(c134.117,101.703) SP.2@133.771,103.173 ; 132.652,102.069 cw(c134.117,101.703) SP.2@133.771,103.173 ; 132.705,101.552 cw(c134.068,101.187) SP.2@133.915,102.59 ; 132.705,101.552 cw(c134.068,101.187) SP.2@133.915,102.59 ; 132.705,101.552 cw(c134.068,101.187) SP.2@133.915,102.59 ; 132.781,101.835 cw(c134.034,101.499) SP.2@133.893,102.789 ; 132.781,101.835 cw(c134.034,101.499) SP.2@133.893,102.789 ; 132.781,101.835 cw(c134.034,101.499) SP.2@133.893,102.789 ; 132.812,101.113 ccw(c132.364,102.907) SP.2@134.163,102.483 ; 132.812,101.113 ccw(c132.364,102.907) SP.2@134.163,102.483 ; 132.812,101.113 ccw(c132.364,102.907) SP.2@134.163,102.483 ; SP.2@132.924,101.965 cw(c132.662,101.814) 132.954,101.735 ; SP.2@132.924,101.965 cw(c132.662,101.814) 132.954,101.735 ; SP.2@132.924,101.965 cw(c132.662,101.814) 132.954,101.735 ; 132.932,101.325 ccw(c132.567,102.688) SP.2@133.97,102.535 ; 132.932,101.325 ccw(c132.567,102.688) SP.2@133.97,102.535 ; 132.932,101.325 ccw(c132.567,102.688) SP.2@133.97,102.535 ; 132.932,101.652 cw(c133.894,101.395) SP.2@133.917,102.39 ; 132.932,101.652 cw(c133.894,101.395) SP.2@133.917,102.39 ; 132.932,101.652 cw(c133.894,101.395) SP.2@133.917,102.39 ; 132.981,101.601 ccw(c132.042,102.54) SP.2@133.37,102.54 ; 132.981,101.601 ccw(c132.042,102.54) SP.2@133.37,102.54 ; 132.981,101.601 ccw(c132.042,102.54) SP.2@133.37,102.54 ; 132.981,101.601 cw(c133.92,100.662) SP.2@133.92,101.99 ; 132.981,101.601 cw(c133.92,100.662) SP.2@133.92,101.99 ; 132.981,101.601 cw(c133.92,100.662) SP.2@133.92,101.99 ; 133.032,101.552 ccw(c132.775,102.514) SP.2@133.77,102.537 ; 133.032,101.552 ccw(c132.775,102.514) SP.2@133.77,102.537 ; 133.032,101.552 ccw(c132.775,102.514) SP.2@133.77,102.537 ; SP.2@133.107,103.353 ccw(c131.144,105.316) 133.92,105.316 ; SP.2@133.107,103.353 ccw(c131.144,105.316) 133.92,105.316 ; SP.2@133.107,103.353 ccw(c131.144,105.316) 133.92,105.316 ; 133.115,101.574 cw(c133.194,101.282) SP.2@133.345,101.544 ; 133.115,101.574 cw(c133.194,101.282) SP.2@133.345,101.544 ; 133.115,101.574 cw(c133.194,101.282) SP.2@133.345,101.544 ; 133.13,101.193 ccw(c132.723,102.822) SP.2@134.358,102.437 ; 133.13,101.193 ccw(c132.723,102.822) SP.2@134.358,102.437 ; 133.13,101.193 ccw(c132.723,102.822) SP.2@134.358,102.437 ; 133.215,101.401 ccw(c132.879,102.654) SP.2@134.168,102.513 ; 133.215,101.401 ccw(c132.879,102.654) SP.2@134.168,102.513 ; 133.215,101.401 ccw(c132.879,102.654) SP.2@134.168,102.513 ; SP.2@133.248,103.212 ccw(c131.626,104.834) 133.92,104.834 ; SP.2@133.248,103.212 ccw(c131.626,104.834) 133.92,104.834 ; SP.2@133.248,103.212 ccw(c131.626,104.834) 133.92,104.834 ; SP.2@133.39,103.07 ccw(c132.109,104.351) 133.92,104.351 ; SP.2@133.39,103.07 ccw(c132.109,104.351) 133.92,104.351 ; SP.2@133.39,103.07 ccw(c132.109,104.351) 133.92,104.351 ; 133.449,101.272 ccw(c133.083,102.737) SP.2@134.553,102.391 ; 133.449,101.272 ccw(c133.083,102.737) SP.2@134.553,102.391 ; 133.449,101.272 ccw(c133.083,102.737) SP.2@134.553,102.391 ; SP.2@133.531,102.929 ccw(c132.592,103.868) 133.92,103.868 ; SP.2@133.531,102.929 ccw(c132.592,103.868) 133.92,103.868 ; SP.2@133.531,102.929 ccw(c132.592,103.868) 133.92,103.868 ; 133.92,103.868 ccw(c135.248,103.868) SP.2@134.309,102.929 ; 133.92,103.868 ccw(c135.248,103.868) SP.2@134.309,102.929 ; 133.92,103.868 ccw(c135.248,103.868) SP.2@134.309,102.929 ; 133.92,104.351 ccw(c135.731,104.351) SP.2@134.45,103.07 ; 133.92,104.351 ccw(c135.731,104.351) SP.2@134.45,103.07 ; 133.92,104.351 ccw(c135.731,104.351) SP.2@134.45,103.07 ; 133.92,104.834 ccw(c136.213,104.834) SP.2@134.592,103.212 ; 133.92,104.834 ccw(c136.213,104.834) SP.2@134.592,103.212 ; 133.92,104.834 ccw(c136.213,104.834) SP.2@134.592,103.212 ; 133.92,105.316 ccw(c136.696,105.316) SP.2@134.733,103.353 ; 133.92,105.316 ccw(c136.696,105.316) SP.2@134.733,103.353 ; 133.92,105.316 ccw(c136.696,105.316) SP.2@134.733,103.353 ; F.2@140.727,133.267 cw(c138.764,131.304) 141.54,131.304 ; F.2@140.727,133.267 cw(c138.764,131.304) 141.54,131.304 ; F.2@140.727,133.267 cw(c138.764,131.304) 141.54,131.304 ; F.2@140.868,133.408 cw(c139.246,131.786) 141.54,131.786 ; F.2@140.868,133.408 cw(c139.246,131.786) 141.54,131.786 ; F.2@140.868,133.408 cw(c139.246,131.786) 141.54,131.786 ; F.2@141.01,133.55 cw(c139.729,132.269) 141.54,132.269 ; F.2@141.01,133.55 cw(c139.729,132.269) 141.54,132.269 ; F.2@141.01,133.55 cw(c139.729,132.269) 141.54,132.269 ; F.2@141.151,133.691 cw(c140.212,132.752) 141.54,132.752 ; F.2@141.151,133.691 cw(c140.212,132.752) 141.54,132.752 ; F.2@141.151,133.691 cw(c140.212,132.752) 141.54,132.752 ; 141.54,131.304 cw(c144.316,131.304) F.2@142.353,133.267 ; 141.54,131.304 cw(c144.316,131.304) F.2@142.353,133.267 ; 141.54,131.304 cw(c144.316,131.304) F.2@142.353,133.267 ; 141.54,131.786 cw(c143.833,131.786) F.2@142.212,133.408 ; 141.54,131.786 cw(c143.833,131.786) F.2@142.212,133.408 ; 141.54,131.786 cw(c143.833,131.786) F.2@142.212,133.408 ; 141.54,132.269 cw(c143.351,132.269) F.2@142.07,133.55 ; 141.54,132.269 cw(c143.351,132.269) F.2@142.07,133.55 ; 141.54,132.269 cw(c143.351,132.269) F.2@142.07,133.55 ; 141.54,132.752 cw(c142.868,132.752) F.2@141.929,133.691 ; 141.54,132.752 cw(c142.868,132.752) F.2@141.929,133.691 ; 141.54,132.752 cw(c142.868,132.752) F.2@141.929,133.691
  Bottom Layer w0.2: U1.13@89.75,88.95 89.75,88.627 90.278,88.627 ; v1@90.678,89.027 90.278,88.627 ; R.2@122.54,141.08 129.54,134.08 F.2@141.54,134.08 ; 90.278,88.627 cw(c90.552,88.353) v1@90.772,88.671 ; 90.278,88.627 cw(c90.552,88.353) v1@90.772,88.671 ; 90.278,88.627 cw(c90.552,88.353) v1@90.772,88.671 ; 90.447,88.796 cw(c90.69,88.553) v1@90.886,88.836 ; 90.447,88.796 cw(c90.69,88.553) v1@90.886,88.836 ; 90.447,88.796 cw(c90.69,88.553) v1@90.886,88.836 ; R.2@121.907,140.931 ccw(c123.377,141.277) 123.011,139.812 ; R.2@121.907,140.931 ccw(c123.377,141.277) 123.011,139.812 ; R.2@121.907,140.931 ccw(c123.377,141.277) 123.011,139.812 ; R.2@122.102,140.977 ccw(c123.737,141.362) 123.33,139.733 ; R.2@122.102,140.977 ccw(c123.737,141.362) 123.33,139.733 ; R.2@122.102,140.977 ccw(c123.737,141.362) 123.33,139.733 ; R.2@122.292,141.053 ccw(c123.581,141.194) 123.245,139.941 ; R.2@122.292,141.053 ccw(c123.581,141.194) 123.245,139.941 ; R.2@122.292,141.053 ccw(c123.581,141.194) 123.245,139.941 ; R.2@122.297,141.023 ccw(c124.096,141.447) 123.648,139.653 ; R.2@122.297,141.023 ccw(c124.096,141.447) 123.648,139.653 ; R.2@122.297,141.023 ccw(c124.096,141.447) 123.648,139.653 ; R.2@122.49,141.075 ccw(c123.893,141.228) 123.528,139.865 ; R.2@122.49,141.075 ccw(c123.893,141.228) 123.528,139.865 ; R.2@122.49,141.075 ccw(c123.893,141.228) 123.528,139.865 ; R.2@122.54,139.93 cw(c122.54,137.154) 124.503,139.117 ; R.2@122.54,139.93 cw(c122.54,137.154) 124.503,139.117 ; R.2@122.54,139.93 cw(c122.54,137.154) 124.503,139.117 ; R.2@122.54,140.13 cw(c122.54,137.836) 124.162,139.458 ; R.2@122.54,140.13 cw(c122.54,137.836) 124.162,139.458 ; R.2@122.54,140.13 cw(c122.54,137.836) 124.162,139.458 ; R.2@122.54,140.33 cw(c122.54,138.519) 123.82,139.8 ; R.2@122.54,140.33 cw(c122.54,138.519) 123.82,139.8 ; R.2@122.54,140.33 cw(c122.54,138.519) 123.82,139.8 ; R.2@122.54,140.53 cw(c122.54,139.202) 123.479,140.141 ; R.2@122.54,140.53 cw(c122.54,139.202) 123.479,140.141 ; R.2@122.54,140.53 cw(c122.54,139.202) 123.479,140.141 ; R.2@122.545,141.13 cw(c122.392,139.727) 123.755,140.092 ; R.2@122.545,141.13 cw(c122.392,139.727) 123.755,140.092 ; R.2@122.545,141.13 cw(c122.392,139.727) 123.755,140.092 ; R.2@122.567,141.328 cw(c122.426,140.039) 123.679,140.375 ; R.2@122.567,141.328 cw(c122.426,140.039) 123.679,140.375 ; R.2@122.567,141.328 cw(c122.426,140.039) 123.679,140.375 ; R.2@122.597,141.323 cw(c122.173,139.524) 123.967,139.972 ; R.2@122.597,141.323 cw(c122.173,139.524) 123.967,139.972 ; R.2@122.597,141.323 cw(c122.173,139.524) 123.967,139.972 ; R.2@122.643,141.518 cw(c122.258,139.883) 123.887,140.29 ; R.2@122.643,141.518 cw(c122.258,139.883) 123.887,140.29 ; R.2@122.643,141.518 cw(c122.258,139.883) 123.887,140.29 ; R.2@122.689,141.713 cw(c122.343,140.243) 123.808,140.609 ; R.2@122.689,141.713 cw(c122.343,140.243) 123.808,140.609 ; R.2@122.689,141.713 cw(c122.343,140.243) 123.808,140.609 ; R.2@123.09,141.08 ccw(c124.418,141.08) 123.479,140.141 ; R.2@123.09,141.08 ccw(c124.418,141.08) 123.479,140.141 ; R.2@123.09,141.08 ccw(c124.418,141.08) 123.479,140.141 ; R.2@123.29,141.08 ccw(c125.101,141.08) 123.82,139.8 ; R.2@123.29,141.08 ccw(c125.101,141.08) 123.82,139.8 ; R.2@123.29,141.08 ccw(c125.101,141.08) 123.82,139.8 ; R.2@123.49,141.08 ccw(c125.784,141.08) 124.162,139.458 ; R.2@123.49,141.08 ccw(c125.784,141.08) 124.162,139.458 ; R.2@123.49,141.08 ccw(c125.784,141.08) 124.162,139.458 ; R.2@123.69,141.08 ccw(c126.466,141.08) 124.503,139.117 ; R.2@123.69,141.08 ccw(c126.466,141.08) 124.503,139.117 ; R.2@123.69,141.08 ccw(c126.466,141.08) 124.503,139.117 ; 138.764,134.08 cw(c138.764,131.304) F.2@140.727,133.267 ; 138.764,134.08 ccw(c138.764,136.856) F.2@140.727,134.893 ; 138.764,134.08 cw(c138.764,131.304) F.2@140.727,133.267 ; 138.764,134.08 ccw(c138.764,136.856) F.2@140.727,134.893 ; 138.764,134.08 cw(c138.764,131.304) F.2@140.727,133.267 ; 138.764,134.08 ccw(c138.764,136.856) F.2@140.727,134.893 ; 139.246,134.08 cw(c139.246,131.786) F.2@140.868,133.408 ; 139.246,134.08 ccw(c139.246,136.373) F.2@140.868,134.752 ; 139.246,134.08 cw(c139.246,131.786) F.2@140.868,133.408 ; 139.246,134.08 ccw(c139.246,136.373) F.2@140.868,134.752 ; 139.246,134.08 cw(c139.246,131.786) F.2@140.868,133.408 ; 139.246,134.08 ccw(c139.246,136.373) F.2@140.868,134.752 ; 139.729,134.08 cw(c139.729,132.269) F.2@141.01,133.55 ; 139.729,134.08 ccw(c139.729,135.891) F.2@141.01,134.61 ; 139.729,134.08 cw(c139.729,132.269) F.2@141.01,133.55 ; 139.729,134.08 ccw(c139.729,135.891) F.2@141.01,134.61 ; 139.729,134.08 cw(c139.729,132.269) F.2@141.01,133.55 ; 139.729,134.08 ccw(c139.729,135.891) F.2@141.01,134.61 ; 140.212,134.08 cw(c140.212,132.752) F.2@141.151,133.691 ; 140.212,134.08 ccw(c140.212,135.408) F.2@141.151,134.469 ; 140.212,134.08 cw(c140.212,132.752) F.2@141.151,133.691 ; 140.212,134.08 ccw(c140.212,135.408) F.2@141.151,134.469 ; 140.212,134.08 cw(c140.212,132.752) F.2@141.151,133.691 ; 140.212,134.08 ccw(c140.212,135.408) F.2@141.151,134.469